# KiCad board Panel2.kicad_pcb (continued)
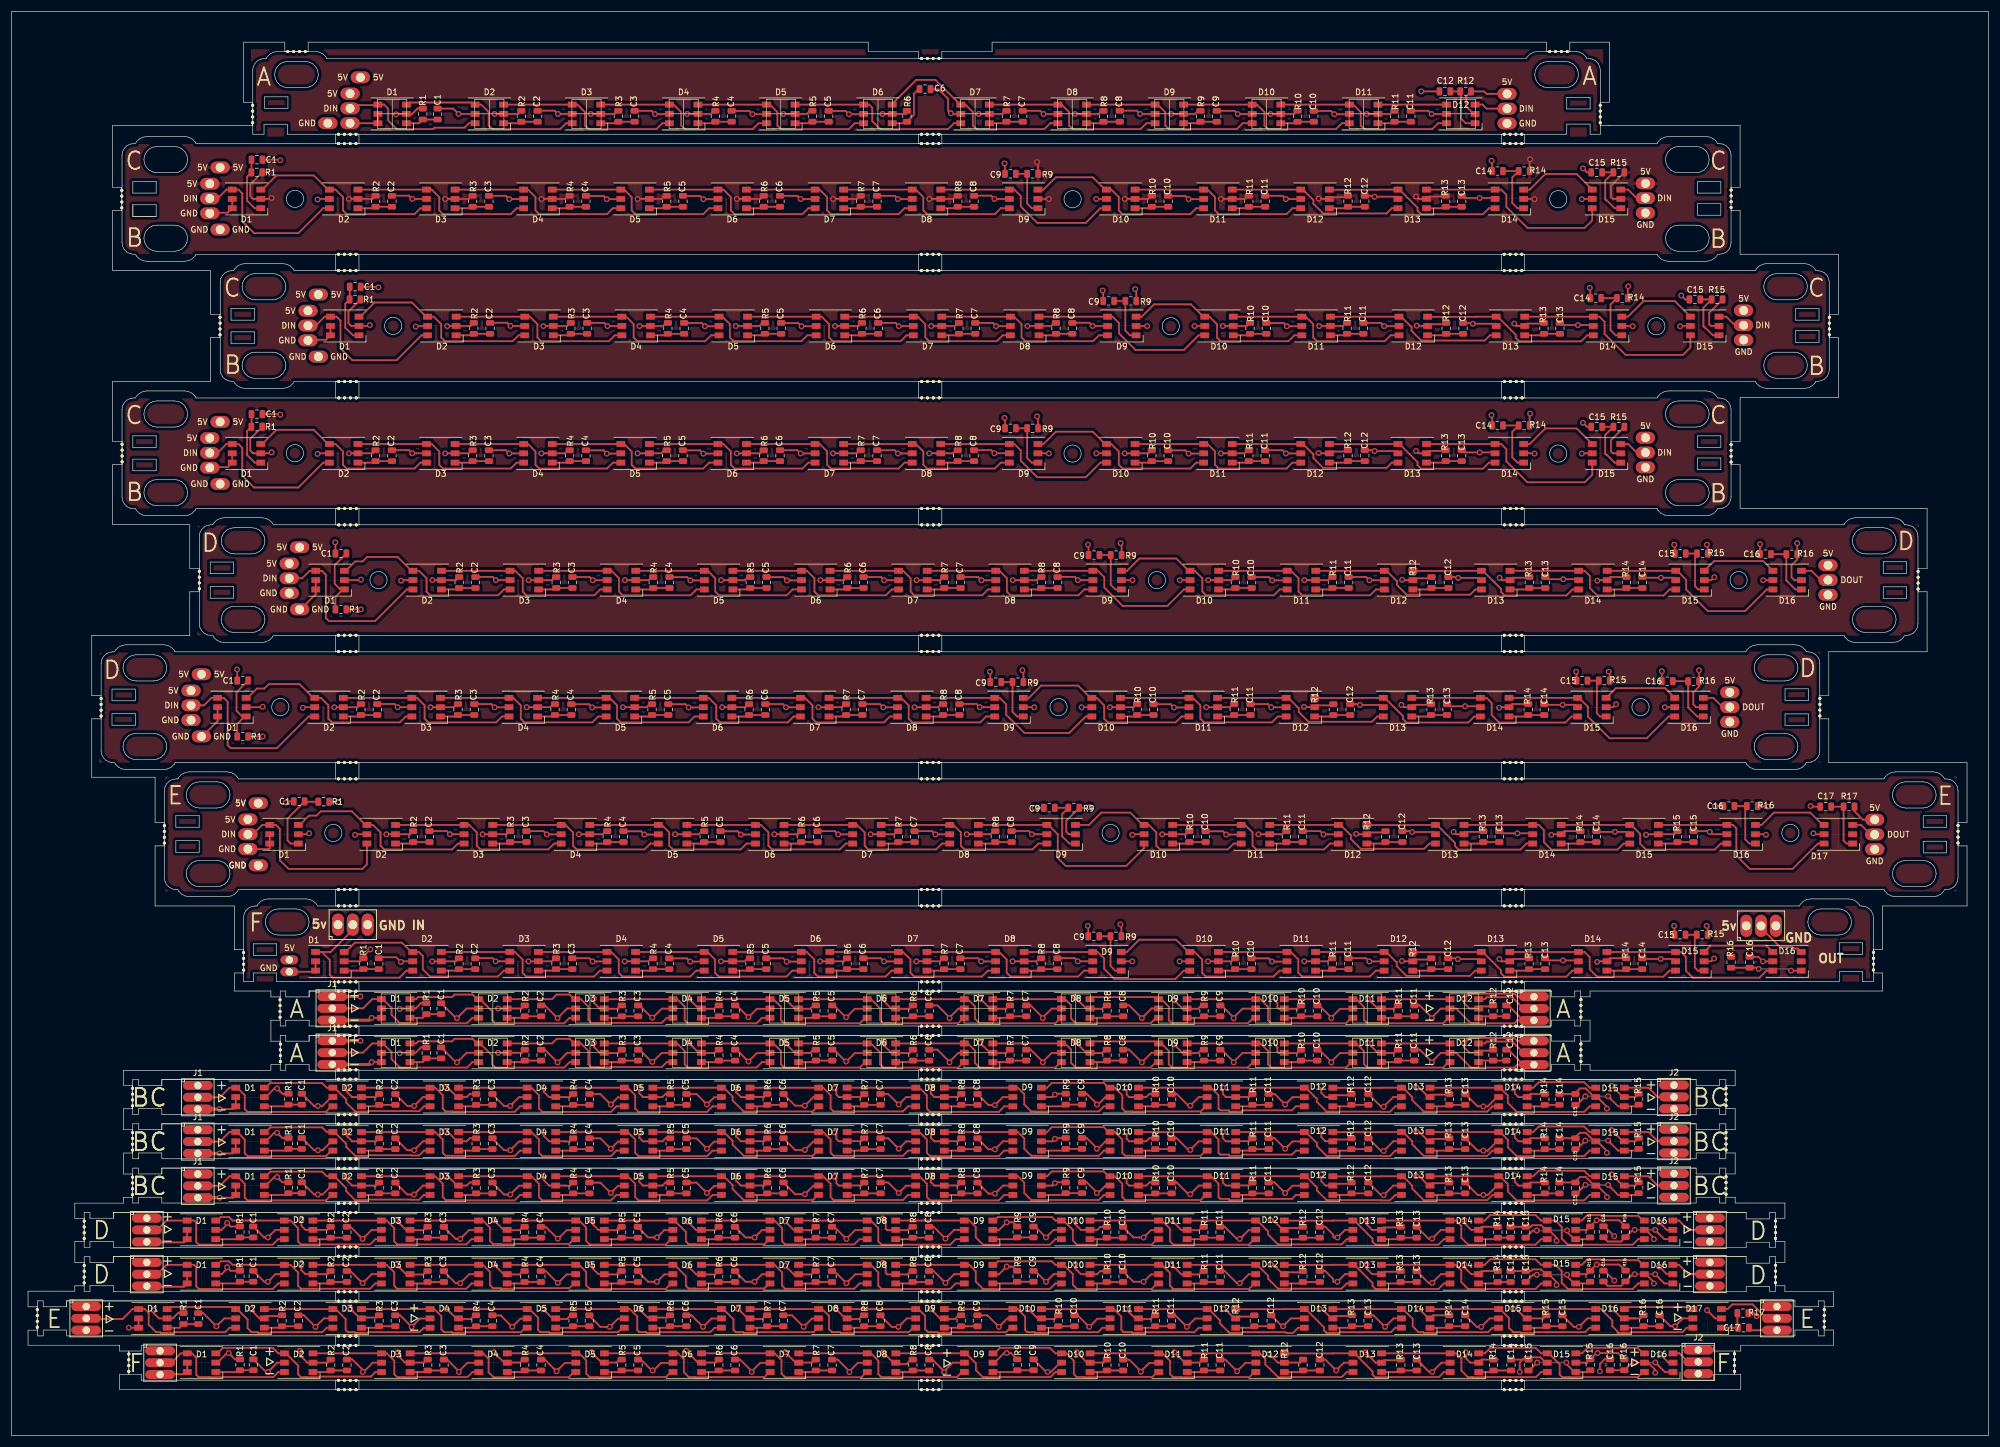
[diagram p0: board, top side]
## Routing (per net, layer and track width the routed paths; a pad name or vN(x,y) marks a point on that pad's centre or on a via; arc(x,y) is an arc through that point) (continued)
248.71,35.97 248.71,33.91 249.89,32.73 261.44,32.73 262.39,33.68 D15#12.6 ; D13#11.3 D14#11.4 247.8,29.27 248.71,28.37 248.71,26.31 249.89,25.13 261.44,25.13 262.39,26.07 D15#11.6 ; D14#12.3 252.72,36.88 253.67,37.83 261.44,37.83 262.39,36.88 D15#12.4 264.84,36.88 265.94,35.78 265.94,33.79 267,32.73 278.1,32.73 279.05,33.68 D16#6.6 ; D14#11.3 252.72,29.27 253.67,30.22 261.44,30.22 262.39,29.27 D15#11.4 264.84,29.27 265.94,28.18 265.94,26.19 267,25.13 278.1,25.13 279.05,26.07 D16#5.6 ; D15#12.3 269.39,36.88 270.34,37.83 272.56,37.83 272.71,37.68 279.05,37.68 279.85,36.88 D16#6.4 ; D15#11.3 269.39,29.27 270.34,30.23 272.56,30.23 272.71,30.07 279.05,30.07 279.85,29.27 D16#5.4 ; J2#14.2 287.66,35.27 286.05,36.88 D16#6.3 ; J2#13.2 287.66,27.67 286.05,29.27 D16#5.3 ; R2#15.1 54.18,35.28 D2#15.2 50.4,35.28 49.71,35.97 v1(49.71,36.97) ; R2#14.1 54.18,27.67 D2#14.2 50.4,27.67 49.71,28.37 v1(49.71,29.37) ; D15#12.2 270.24,35.28 R15#12.1 271.89,36.93 v1(271.95,36.93) 275.78,36.93 276.88,35.83 ; D15#11.2 270.24,27.67 R15#11.1 271.89,29.33 v1(271.95,29.33) 275.78,29.33 276.88,28.23 ; R14#12.1 252.2,35.81 D14#12.2 250.4,35.28 249.21,36.47 v1(249.21,36.97) ; R14#11.1 252.2,28.21 D14#11.2 250.4,27.67 249.21,28.87 v1(249.21,29.37) ; v1(132.71,36.72) 134.21,35.22 137.18,35.22 137.77,35.81 ; v1(132.71,29.12) 134.21,27.62 137.18,27.62 137.77,28.21 ; R13#12.1 238.18,35.68 235.41,35.68 D13#12.2 233.4,35.28 232.46,36.22 v1(232.46,36.97) ; R13#11.1 238.18,28.08 235.41,28.08 D13#11.2 233.4,27.67 232.46,28.62 v1(232.46,29.37) ; R12#15.1 221.31,35.58 218.64,35.58 D12#15.2 218.09,35.28 216.39,36.97 v1(215.96,36.97) ; R12#14.1 221.31,27.98 218.64,27.98 D12#14.2 218.09,27.67 216.39,29.37 v1(215.96,29.37) ; v1(282.66,36.57) 283.95,35.28 D16#6.2 ; v1(282.66,28.97) 283.95,27.67 D16#5.2 ; v1(149.46,37.22) 149.96,36.72 149.96,35.47 150.21,35.22 153.69,35.22 154.28,35.81 ; v1(149.46,29.62) 149.96,29.12 149.96,27.87 150.21,27.62 153.69,27.62 154.28,28.21 ; R9#15.1 171.79,36.57 v1(170.71,36.57) 169.41,35.28 D9#15.2 ; R9#14.1 171.79,28.97 v1(170.71,28.97) 169.41,27.67 D9#14.2 ; v1(198.96,36.97) 200.71,35.22 203.73,35.22 204.32,35.81 ; v1(198.96,29.37) 200.71,27.62 203.73,27.62 204.32,28.21 ; v1(82.71,36.97) 84.46,35.22 87.14,35.22 87.73,35.81 ; v1(82.71,29.37) 84.46,27.62 87.14,27.62 87.73,28.21 ; v1(65.96,36.97) 67.71,35.22 70.63,35.22 71.22,35.81 ; v1(65.96,29.37) 67.71,27.62 70.63,27.62 71.22,28.21 ; R1#15.1 37.58,35.85 v1(36.96,36.47) 36.96,36.22 36.01,35.28 D1#15.2 ; R1#14.1 37.58,28.25 v1(36.96,28.87) 36.96,28.62 36.01,27.67 D1#14.2 ; 104.24,35.81 103.9,35.47 ; 104.24,28.21 103.9,27.87 ; v1(115.96,36.72) 117.46,35.22 120.67,35.22 121.26,35.81 ; v1(115.96,29.12) 117.46,27.62 120.67,27.62 121.26,28.21 ; R5#15.1 104.06,35.22 101.73,35.22 D5#15.2 100.65,35.28 99.71,36.22 99.71,36.47 v1(99.21,36.97) ; R5#14.1 104.06,27.62 101.73,27.62 D5#14.2 100.65,27.67 99.71,28.62 99.71,28.87 v1(99.21,29.37) ; v1(182.46,36.97) 182.46,36.26 183.44,35.28 D10#15.2 186.26,35.28 186.79,35.81 R10#15.1 ; v1(182.46,29.37) 182.46,28.66 183.44,27.67 D10#14.2 186.26,27.67 186.79,28.21 R10#14.1 ; 30.09,36.85 D1#15.4 ; D1#15.4 31.3,36.88 31.66,36.52 31.66,33.21 32.14,32.73 44.78,32.73 45.73,33.68 D2#15.6 ; D1#15.4 26.58,36.88 24.96,35.25 J1#14.2 ; 30.09,29.25 D1#14.4 ; D1#14.4 31.3,29.27 31.66,28.92 31.66,25.61 32.14,25.13 44.78,25.13 45.73,26.07 D2#14.6 ; D1#14.4 26.58,29.27 24.96,27.65 J1#13.2 ; D1#15.5 D1#15.6 ; D1#15.6 29.63,33.2 ; D1#15.6 29.56,33.12 23.29,33.12 J1#14.3 ; D1#14.5 D1#14.6 ; D1#14.6 29.63,25.6 ; D1#14.6 29.56,25.52 23.29,25.52 J1#13.3 ; v1(274.96,34.18) 273.25,35.88 C16#6.2 ; v1(274.96,26.58) 273.25,28.28 C16#5.2 ; 257.71,35.81 260.65,35.81 260.92,36.08 262.39,36.08 263.19,35.28 D15#12.5 263.69,35.28 265.04,33.93 v1(265.04,33.4) ; 257.71,28.21 260.65,28.21 260.92,28.47 262.39,28.47 263.19,27.67 D15#11.5 263.69,27.67 265.04,26.32 v1(265.04,25.8) ; D13#12.5 228.76,35.28 v1(227.46,33.97) 226.75,33.97 226.75,34.43 225.37,35.81 C12#15.2 ; D13#11.5 228.76,27.67 v1(227.46,26.37) 226.75,26.37 226.75,26.83 225.37,28.21 C12#14.2 ; D16#6.5 280.35,35.28 281.76,33.87 v1(281.76,33.67) ; D16#5.5 280.35,27.67 281.76,26.27 v1(281.76,26.07) ; C1#15.2 43.32,33.97 v1(43.96,33.97) 45.26,35.28 D2#15.5 ; C1#14.2 43.32,26.37 v1(43.96,26.37) 45.26,27.67 D2#14.5 ; 63.51,35.28 61.77,35.28 v1(60.21,33.72) 58.09,35.83 57.44,35.83 ; 63.51,27.68 61.77,27.68 v1(60.21,26.12) 58.09,28.23 57.44,28.23 ; 80.15,35.25 78.49,35.25 v1(76.96,33.72) 76.17,33.72 74.08,35.81 ; 80.15,27.65 78.49,27.65 v1(76.96,26.12) 76.17,26.12 74.08,28.21 ; 93.71,33.72 91.64,35.78 90.82,35.78 ; 93.71,33.72 95.21,35.23 96.89,35.23 ; 93.71,33.72 v1(93.71,33.77) ; 93.71,26.12 91.64,28.18 90.82,28.18 ; 93.71,26.12 95.21,27.63 96.89,27.63 ; 93.71,26.12 v1(93.71,26.17) ; 107.38,35.78 109.19,33.97 v1(110.71,33.97) 111.96,35.23 113.45,35.23 ; 107.38,28.18 109.19,26.37 v1(110.71,26.37) 111.96,27.63 113.45,27.63 ; 130.14,35.25 128.74,35.25 v1(127.46,33.97) 125.91,33.97 124.07,35.81 ; 130.14,27.65 128.74,27.65 v1(127.46,26.37) 125.91,26.37 124.07,28.21 ; 140.76,35.81 141.12,35.81 v1(143.21,33.72) 144.74,35.25 146.83,35.25 ; 140.76,28.21 141.12,28.21 v1(143.21,26.12) 144.74,27.65 146.83,27.65 ; D10#15.5 178.76,35.28 v1(177.46,33.97) 175.58,35.85 C9#15.2 ; D10#14.5 178.76,27.67 v1(177.46,26.37) 175.58,28.25 C9#14.2 ; 190.64,35.78 192.45,33.97 v1(194.21,33.97) 195.46,35.23 196.71,35.23 ; 190.64,28.18 192.45,26.37 v1(194.21,26.37) 195.46,27.63 196.71,27.63 ; 213.4,35.25 212.24,35.25 v1(210.71,33.72) 210.21,33.72 208.12,35.81 207.33,35.81 ; 213.4,27.65 212.24,27.65 v1(210.71,26.12) 210.21,26.12 208.12,28.21 207.33,28.21 ; 157.32,35.83 158.14,35.83 v1(160.21,33.77) 161.72,35.28 163.39,35.28 ; 157.32,28.23 158.14,28.23 v1(160.21,26.17) 161.72,27.68 163.39,27.68 ; D14#12.5 245.21,35.28 v1(243.71,33.77) 243.08,33.77 C13#12.2 ; D14#11.5 245.21,27.67 v1(243.71,26.17) 243.08,26.17 C13#11.2 ; D10#15.4 179.06,36.88 178.46,37.47 169.18,37.47 168.59,36.88 D9#15.3 ; D10#14.4 179.06,29.27 178.46,29.87 169.18,29.87 168.59,29.27 D9#14.3 ; 196.54,33.68 195.59,32.73 182.78,32.73 182.06,33.45 182.06,35.29 180.47,36.88 179.87,36.88 ; 196.54,26.07 195.59,25.13 182.78,25.13 182.06,25.85 182.06,27.69 180.47,29.27 179.87,29.27 ; D12#15.3 218.36,36.85 226.66,36.85 226.68,36.88 D13#12.4 230.35,36.88 233.47,33.76 233.47,33.24 233.98,32.73 244.77,32.73 245.72,33.68 D14#12.6 ; D12#14.3 218.36,29.25 226.66,29.25 226.68,29.27 D13#11.4 230.35,29.27 233.47,26.16 233.47,25.64 233.98,25.13 244.77,25.13 245.72,26.07 D14#11.6 ; 79.8,36.88 80.85,36.88 82.06,35.67 82.06,33.37 82.56,32.87 83.86,32.87 83.86,32.86 83.94,32.78 86.08,32.78 86.16,32.86 86.16,32.87 95.66,32.87 96.46,33.68 ; 79.8,29.27 80.85,29.27 82.06,28.07 82.06,25.77 82.56,25.27 83.86,25.27 83.86,25.25 83.94,25.17 86.08,25.17 86.16,25.25 86.16,25.27 95.66,25.27 96.46,26.07 ; 201.28,33.68 204.06,33.68 204.32,33.93 207.11,33.93 ; 201.28,26.07 204.06,26.07 204.32,26.33 207.11,26.33 ; C12#15.1 R12#15.2 221.27,33.68 D12#15.1 ; C12#14.1 R12#14.2 221.27,26.07 D12#14.1 ; 184.77,33.68 187.55,33.68 187.81,33.93 190.6,33.93 ; 184.77,26.07 187.55,26.07 187.81,26.33 190.6,26.33 ; D9#15.1 172.21,33.68 R9#15.2 C9#15.1 ; D9#14.1 172.21,26.07 R9#14.2 C9#14.1 ; 157.07,33.93 154.28,33.93 154.02,33.68 151.25,33.68 ; 157.07,26.33 154.28,26.33 154.02,26.07 151.25,26.07 ; 140.56,33.93 137.77,33.93 137.51,33.68 134.74,33.68 ; 140.56,26.33 137.77,26.33 137.51,26.07 134.74,26.07 ; 118.23,33.68 121,33.68 121.26,33.93 124.05,33.93 ; 118.23,26.07 121,26.07 121.26,26.33 124.05,26.33 ; 101.21,33.68 103.98,33.68 104.24,33.93 107.03,33.93 ; 101.21,26.07 103.98,26.07 104.24,26.33 107.03,26.33 ; 84.7,33.68 87.47,33.68 87.73,33.93 90.52,33.93 ; 84.7,26.07 87.47,26.07 87.73,26.33 90.52,26.33 ; 68.19,33.68 70.96,33.68 71.22,33.93 74.01,33.93 ; 68.19,26.07 70.96,26.07 71.22,26.33 74.01,26.33 ; D2#15.1 54.45,33.68 R2#15.2 C2#15.1 ; D2#14.1 54.45,26.07 R2#14.2 C2#14.1 ; D1#15.1 38.86,33.68 R1#15.2 C1#15.1 ; D1#14.1 38.86,26.07 R1#14.2 C1#14.1 ; D2#15.3 D3#15.4 ; D2#14.3 D3#14.4 ; D4#15.6 78.9,33.68 78,32.77 66.15,32.77 65.62,33.3 65.62,35.59 64.34,36.88 63.29,36.88 ; D4#14.6 78.9,26.07 78,25.17 66.15,25.17 65.62,25.7 65.62,27.99 64.34,29.27 63.29,29.27 ; D1#15.3 35.26,36.88 35.86,37.47 37.29,37.47 37.88,36.88 D2#15.4 47.83,36.88 49.11,35.59 49.11,33.3 49.64,32.77 61.49,32.77 62.39,33.68 D3#15.6 ; D1#14.3 35.26,29.27 35.86,29.87 37.29,29.87 37.88,29.27 D2#14.4 47.83,29.27 49.11,27.99 49.11,25.7 49.64,25.17 61.49,25.17 62.39,26.07 D3#14.6 ; 68.19,36.88 79.95,36.88 ; 68.19,29.27 79.95,29.27 ; C16#6.1 273.82,33.28 276.14,33.28 R16#6.2 278.14,35.27 v1(278.46,35.27) ; C16#5.1 273.82,25.68 276.14,25.68 R16#5.2 278.14,27.67 v1(278.46,27.67) ; D16#6.1 283.55,33.68 v1(281.96,35.27) ; D16#5.1 283.55,26.07 v1(281.96,27.67) ; 101.21,36.88 112.97,36.88 ; 101.21,29.27 112.97,29.27 ; 129.99,33.68 129.13,32.81 119.45,32.81 119.41,32.78 117.27,32.78 117.23,32.81 116.15,32.81 115.66,33.3 115.66,34.93 113.72,36.88 113.33,36.88 ; 129.99,26.07 129.13,25.21 119.45,25.21 119.41,25.17 117.27,25.17 117.23,25.21 116.15,25.21 115.66,25.7 115.66,27.33 113.72,29.27 113.33,29.27 ; 113.13,33.68 112.2,32.75 99.19,32.75 98.56,33.38 98.56,35.68 97.36,36.88 96.31,36.88 ; 113.13,26.07 112.2,25.15 99.19,25.15 98.56,25.78 98.56,28.08 97.36,29.27 96.31,29.27 ; 84.7,36.88 96.46,36.88 ; 84.7,29.27 96.46,29.27 ; 118.23,36.88 129.99,36.88 ; 118.23,29.27 129.99,29.27 ; 146.35,36.88 147.4,36.88 148.68,35.59 148.68,33.3 149.25,32.73 161.01,32.73 161.96,33.68 163.01,33.68 ; 146.35,29.27 147.4,29.27 148.68,27.99 148.68,25.7 149.25,25.13 161.01,25.13 161.96,26.07 163.01,26.07 ; 162.86,36.88 163.91,36.88 ; 162.86,29.27 163.91,29.27 ; 146.66,33.68 145.45,33.68 144.55,32.77 132.7,32.77 132.17,33.3 132.17,35.59 130.89,36.88 129.84,36.88 ; 146.66,26.07 145.45,26.07 144.55,25.17 132.7,25.17 132.17,25.7 132.17,27.99 130.89,29.27 129.84,29.27 ; D10#15.6 179.06,33.68 178.11,32.73 166.66,32.73 165.4,33.99 165.4,35.77 164.29,36.88 D9#15.4 ; D10#14.6 179.06,26.07 178.11,25.12 166.66,25.12 165.4,26.39 165.4,28.17 164.29,29.27 D9#14.4 ; 213.21,33.68 212.26,32.73 199.29,32.73 198.71,33.31 198.71,35.5 197.33,36.88 196.38,36.88 ; 213.21,26.07 212.26,25.13 199.29,25.13 198.71,25.71 198.71,27.9 197.33,29.27 196.38,29.27 ; 151.25,36.88 163.01,36.88 ; 151.25,29.27 163.01,29.27 ; 184.77,36.88 196.54,36.88 ; 184.77,29.27 196.54,29.27 ; 201.28,36.88 213.05,36.88 ; 201.28,29.27 213.05,29.27 ; D13#12.6 229.05,33.68 228.15,32.78 217.27,32.78 215.56,34.49 215.56,35.01 213.69,36.88 D12#15.4 ; D13#11.6 229.05,26.07 228.15,25.17 217.27,25.17 215.56,26.89 215.56,27.41 213.69,29.27 D12#14.4 ; 134.74,36.88 146.5,36.88 ; 134.74,29.27 146.5,29.27 ; 165.75,20.61 167.39,20.61 v1(169.37,18.62) 170.8,20.05 171.82,20.05 ; 54.95,21.67 55.59,21.67 57.29,19.97 57.29,18.1 57.66,17.72 58.86,17.72 58.86,17.65 58.94,17.57 61.08,17.57 61.16,17.65 61.16,17.72 69.97,17.72 70.73,18.47 D4#16.6 ; D1#16.3 26.93,21.67 27.29,22.03 37.84,22.03 38.19,21.67 D2#16.4 38.69,21.67 40.47,19.9 40.47,18.4 41.15,17.72 42.19,17.72 42.19,17.65 42.27,17.57 44.41,17.57 44.49,17.65 44.49,17.72 53.31,17.72 54.06,18.47 D3#16.6 ; 59.85,21.67 71.62,21.67 ; 88.13,18.47 87.38,17.72 77.83,17.72 77.83,17.65 77.75,17.57 75.61,17.57 75.53,17.65 75.53,17.72 74.17,17.72 73.72,18.17 73.72,20.47 72.51,21.67 71.46,21.67 ; D16#7.1 279.71,18.47 R16#7.2 C16#7.1 ; 76.36,21.67 88.13,21.67 ; C15#13.1 R15#13.2 263.05,18.47 D15#13.1 ; 104.99,21.67 106.04,21.67 107.33,20.39 107.33,18.1 107.7,17.72 108.86,17.72 108.86,17.65 108.94,17.57 111.08,17.57 111.16,17.65 111.16,17.72 119.86,17.72 120.61,18.47 121.66,18.47 ; 104.8,18.47 104.04,17.72 94.49,17.72 94.49,17.65 94.41,17.57 92.27,17.57 92.19,17.65 92.19,17.72 90.68,17.72 90.31,18.1 90.31,20.2 88.84,21.67 87.97,21.67 ; 92.87,21.67 104.64,21.67 ; 109.89,21.67 121.66,21.67 ; 138.32,18.47 137.57,17.72 127.82,17.72 127.82,17.65 127.74,17.57 125.6,17.57 125.52,17.65 125.52,17.72 124.21,17.72 123.84,18.1 123.84,19.93 122.09,21.67 121.5,21.67 ; 126.4,21.67 138.17,21.67 ; 154.68,18.47 153.93,17.72 144.49,17.72 144.49,17.65 144.41,17.57 142.27,17.57 142.19,17.65 142.19,17.72 140.72,17.72 140.22,18.22 140.22,20.51 139.06,21.67 138.01,21.67 ; R17#2.2 296.08,18.58 C17#2.1 296.18,18.47 D17#2.1 ; D17#2.3 294.39,21.67 295.18,22.47 298.69,22.47 301.08,20.08 J2#15.2 ; D12#16.4 205.35,21.67 207.27,19.76 207.27,19.24 208.79,17.72 208.85,17.72 208.85,17.65 208.93,17.57 211.07,17.57 211.15,17.65 211.15,17.72 218.54,17.72 218.69,17.57 219.82,17.57 220.72,18.47 D13#13.6 ; 192.95,21.67 204.72,21.67 ; 188.05,21.67 189.1,21.67 190.39,20.39 190.39,18.1 190.76,17.72 192.19,17.72 192.19,17.65 192.27,17.57 194.41,17.57 194.49,17.65 194.49,17.72 202.91,17.72 203.67,18.47 204.87,18.47 ; 176.44,21.67 188.21,21.67 ; 154.52,21.67 155.57,21.67 156.72,20.52 156.72,18.23 157.23,17.72 158.86,17.72 158.86,17.65 158.94,17.57 161.08,17.57 161.16,17.65 161.16,17.72 170.59,17.72 171.34,18.47 ; 142.91,21.67 154.68,21.67 ; D14#13.1 246.38,18.47 R14#13.2 C14#13.1 ; D13#13.1 229.71,18.47 R13#13.2 C13#13.1 ; D13#13.3 D14#13.4 238.69,21.67 240.37,19.99 240.37,18.71 241.36,17.72 242.19,17.72 242.19,17.65 242.27,17.57 244.41,17.57 244.49,17.65 244.49,17.72 253.3,17.72 254.05,18.47 D15#13.6 ; D14#13.3 D15#13.4 255.35,21.67 256.88,20.15 256.88,18.45 257.61,17.72 258.85,17.72 258.85,17.65 258.93,17.57 261.07,17.57 261.15,17.65 261.15,17.72 269.97,17.72 270.72,18.47 D16#7.6 ; D15#13.3 D16#7.4 272.67,21.67 274.62,19.72 274.62,18.72 275.52,17.83 275.52,17.65 275.6,17.57 277.74,17.57 277.82,17.65 277.82,17.72 286.63,17.72 287.39,18.47 D17#2.6 ; 288.11,22.02 277.27,22.02 276.92,21.67 D16#7.3 ; R12#16.1 212.97,20.38 210.31,20.38 D12#16.2 209.75,20.07 208.11,21.72 v1(207.87,21.72) ; R1#16.1 29.45,21.02 28.59,21.02 27.64,20.07 D1#16.2 25.27,20.07 24.37,20.97 v1(24.37,21.47) ; R16#7.1 279.44,20.07 278.57,20.07 ; D16#7.2 278.57,20.07 ; 278.57,20.07 276.27,20.07 v1(274.62,21.72) ; R15#13.1 262.77,20.07 D15#13.2 259.75,20.07 258.11,21.72 v1(257.62,21.72) ; R14#13.1 243.87,20.61 D14#13.2 243.09,20.07 241.44,21.72 v1(241.37,21.72) ; v1(191.12,21.72) 192.87,19.97 195.35,19.97 195.98,20.61 ; R13#13.1 229.85,20.48 227.08,20.48 D13#13.2 226.42,20.07 224.77,21.72 v1(224.37,21.72) ; v1(290.87,21.47) 292.27,20.07 D17#2.2 ; v1(299.37,20.47) 298.87,20.97 R17#2.1 ; v1(157.62,21.72) 159.37,19.97 161.82,19.97 162.45,20.61 ; v1(141.37,21.72) 143.12,19.97 145.31,19.97 145.94,20.61 ; v1(124.62,21.72) 126.37,19.97 128.8,19.97 129.43,20.61 ; v1(107.62,21.72) 109.12,20.22 112.54,20.22 112.92,20.61 ; v1(91.12,21.72) 92.87,19.97 95.27,19.97 95.91,20.61 ; v1(74.62,21.72) 76.37,19.97 78.76,19.97 79.4,20.61 ; v1(58.12,21.72) 59.62,20.22 62.5,20.22 62.89,20.61 ; R2#16.1 46.24,20.47 43.74,20.47 D2#16.2 42.52,20.07 41.12,21.47 v1(41.12,21.72) ; v1(174.37,21.72) 176.12,19.97 178.84,19.97 179.47,20.61 ; 21.76,21.65 D1#16.4 ; D1#16.4 20.73,21.67 19.03,19.98 12.9,19.98 J1#15.2 ; D1#16.4 22.83,21.67 23.51,21 23.51,18.99 24.78,17.72 25.53,17.72 25.53,17.65 25.61,17.57 27.75,17.57 27.83,17.65 27.83,17.72 36.63,17.72 37.39,18.47 D2#16.6 ; D1#16.5 D1#16.6 v1(20.11,18.47) ; 301.08,18.05 J2#15.3 298.48,18.05 C17#2.2 ; C12#16.2 217.97,18.72 v1(218.12,18.72) 219.47,20.07 D13#13.5 ; C16#7.2 284.59,18.72 v1(285.37,18.72) 286.72,20.07 D17#2.5 ; 65.75,20.61 66.64,20.61 v1(68.62,18.62) 70.05,20.05 71.82,20.05 ; 82.49,20.58 83.91,20.58 v1(85.87,18.62) 87.28,20.03 88.56,20.03 ; 55.18,20.08 53.58,20.08 v1(52.12,18.62) 50.11,20.63 49.11,20.63 ; 105.12,20.03 104.03,20.03 v1(102.62,18.62) 101.01,18.62 99.05,20.58 ; 115.73,20.61 116.64,20.61 v1(118.62,18.62) 120.05,20.05 121.8,20.05 ; 138.49,20.05 137.3,20.05 v1(135.87,18.62) 133.89,20.61 132.42,20.61 ; 155.05,20.08 153.58,20.08 v1(152.12,18.62) 150.99,18.62 148.98,20.63 ; 188.21,18.47 187.16,18.47 186.4,17.72 177.82,17.72 177.82,17.65 177.74,17.57 175.6,17.57 175.52,17.65 175.52,17.72 174.25,17.72 173.88,18.1 173.88,20.39 172.59,21.67 171.54,21.67 ; C13#13.2 233.64,20.61 v1(235.62,18.62) 237.07,20.07 D14#13.5 ; 205.07,20.05 203.05,20.05 v1(201.62,18.62) 199.64,20.61 199,20.61 ; D15#13.5 253.57,20.07 v1(252.12,18.62) 251.36,18.62 C14#13.2 ; D16#7.5 270.32,20.07 v1(268.87,18.62) 268.03,18.62 C15#13.2 ; 159.42,21.67 171.19,21.67 ; D12#16.3 210.03,21.65 218.33,21.65 218.35,21.67 D13#13.4 222.02,21.67 225.13,18.56 225.13,18.04 225.45,17.72 225.52,17.72 225.52,17.65 225.6,17.57 227.74,17.57 227.82,17.65 227.82,17.72 236.63,17.72 237.39,18.47 D14#13.6 ; C12#16.1 R12#16.2 212.94,18.47 D12#16.1 ; 192.95,18.47 195.73,18.47 195.98,18.73 198.78,18.73 ; 176.44,18.47 179.22,18.47 179.47,18.73 182.27,18.73 ; 159.42,18.47 162.2,18.47 162.45,18.73 165.25,18.73 ; 148.74,18.73 145.94,18.73 145.69,18.47 142.91,18.47 ; 132.23,18.73 129.43,18.73 129.18,18.47 126.4,18.47 ; 109.89,18.47 112.67,18.47 112.92,18.73 115.72,18.73 ; 92.87,18.47 95.65,18.47 95.91,18.73 98.7,18.73 ; 76.36,18.47 79.14,18.47 79.4,18.73 82.19,18.73 ; 59.85,18.47 62.63,18.47 62.89,18.73 65.68,18.73 ; C2#16.1 R2#16.2 46.12,18.47 D2#16.1 ; C1#16.1 R1#16.2 28.84,18.47 D1#16.1 ; D2#16.3 D3#16.4 ; 188.38,20.03 186.28,20.03 v1(184.87,18.62) 182.91,20.58 182.31,20.58 ; C1#16.2 32.86,20.99 v1(35.12,18.72) 36.47,20.07 D2#16.5 ; D1#17.3 35.28,14.08 36.23,15.03 44.8,15.03 45.75,14.08 D2#17.4 47.05,14.08 49.13,11.99 49.13,10.5 49.63,10 50.6,10 50.63,9.98 52.77,9.98 52.89,10.09 61.63,10.09 62.41,10.88 D3#17.6 ; 151.27,14.08 163.03,14.08 ; 162.88,14.08 163.93,14.08 ; D10#17.6 179.08,10.88 178.2,10 169.45,10 169.43,9.98 167.29,9.98 167.27,10 166.61,10 165.42,11.19 165.42,12.37 163.71,14.08 D9#17.4 ; 184.8,14.08 196.56,14.08 ; 213.23,10.88 212.35,10 202.79,10 202.76,9.98 200.62,9.98 200.6,10 199.24,10 198.74,10.5 198.74,12.79 197.46,14.08 196.41,14.08 ; 201.31,14.08 213.07,14.08 ; D13#14.6 229.07,10.88 228.2,10 219.45,10 219.43,9.98 217.29,9.98 215.08,12.18 215.08,13.15 214.15,14.08 D12#17.4 ; 273.62,11.17 R16#8.2 278,12.5 v1(278.48,12.5) ; D16#8.1 283.63,10.88 v1(281.99,12.51) ; R15#14.2 270.53,10.88 D15#14.1 268.11,10.88 266.73,12.25 v1(266.73,12.5) ; v1(261.73,12.5) 260.67,11.44 260.67,11.13 ; D14#14.1 254.73,10.88 254.99,11.13 257.73,11.13 ; D13#14.1 238.07,10.88 R13#14.2 C13#14.1 ; D13#14.3 D14#14.4 247.84,14.08 248.73,13.19 248.73,11.11 249.83,10 250.6,10 250.62,9.98 252.76,9.98 252.79,10 261.53,10 262.41,10.88 D15#14.6 ; D14#14.3 252.74,14.08 253.69,15.03 261.46,15.03 262.41,14.08 D15#14.4 263.71,14.08 265.58,12.2 265.58,10.44 266.03,9.99 267.27,9.99 267.29,9.98 269.43,9.98 269.44,9.99 278.99,9.99 279.87,10.88 D16#8.6 ; D15#14.3 269.41,14.08 270.36,15.03 278.92,15.03 279.87,14.08 D16#8.4 ; D16#8.3 286.13,14.08 287.59,12.62 J2#16.2 ; D2#17.5 45.56,12.48 v1(43.98,10.9) 43.61,10.9 C1#17.2 ; 109.98,11 v1(109.98,11.15) ; 109.98,11 108,12.98 107.4,12.98 ; 109.98,11 111.41,12.43 113.47,12.43 ; 76.73,11 v1(76.73,10.9) ; 76.73,11 78.18,12.45 80.17,12.45 ; 76.73,11 74.72,13.01 74.1,13.01 ; 60.48,11 60.38,10.9 v1(60.23,10.9) ; 60.48,11 61.96,12.48 63.54,12.48 ; 60.48,11 58.45,13.03 57.46,13.03 ; D1#17.4 29.02,14.08 27.42,12.47 J1#16.2 ; D1#17.4 30.9,14.08 31.68,13.3 31.68,10.41 32.08,10 33.94,10 33.96,9.98 36.1,9.98 36.13,10 44.87,10 45.75,10.88 D2#17.6 ; D1#17.4 30.11,14.05 ; D1#17.5 D1#17.6 29.76,10.5 25.52,10.5 J1#16.3 ; 90.84,12.98 91.5,12.98 v1(93.48,11) 94.91,12.43 96.91,12.43 ; 124.09,13.01 124.97,13.01 126.98,11 ; 126.98,11 128.43,12.45 130.16,12.45 ; 126.98,11 v1(126.98,10.9) ; 143.73,11 145.18,12.45 146.85,12.45 ; 143.73,11 141.72,13.01 140.78,13.01 ; 143.73,11 v1(143.73,10.87) ; 157.34,13.03 157.95,13.03 159.98,11 ; 163.41,12.48 161.46,12.48 159.98,11 ; 159.98,11 v1(159.98,10.89) ; 193.73,11 195.16,12.43 196.73,12.43 ; 193.73,11 191.75,12.98 190.66,12.98 ; 193.73,11 v1(193.73,10.92) ; 213.42,12.45 211.68,12.45 v1(210.23,11) 208.22,13.01 207.35,13.01 ; 257.73,13.01 259.23,13.01 ; 259.23,13.01 259.62,13.4 262.28,13.4 263.21,12.48 D15#14.5 ; 259.23,13.01 258.73,12.51 v1(258.73,10.9) ; v1(272.48,11) 272.48,12.25 273.28,13.05 C16#8.2 ; D16#8.5 280.75,12.48 281.98,11.25 v1(281.98,10.75) ; v1(132.73,14.25) 134.48,12.5 137.28,12.5 137.79,13.01 ; 121.28,13.01 120.77,12.5 117.73,12.5 v1(115.73,14.5) ; v1(215.73,14) 217.25,12.48 D12#17.2 218.38,12.5 221.04,12.5 R12#17.1 ; 204.34,13.01 203.83,12.5 201.23,12.5 v1(199.48,14.25) ; 187.83,13.01 187.32,12.5 184.48,12.5 v1(182.73,14.25) ; R9#17.1 171.45,14.13 v1(170.73,14.13) 170.26,14.13 168.61,12.48 D9#17.2 ; 154.3,13.01 153.54,12.25 151.48,12.25 v1(149.48,14.25) ; R2#17.1 54.2,12.48 D2#17.2 50.75,12.48 49.48,13.75 v1(49.48,14.5) ; 104.26,13.01 103.75,12.5 101.23,12.5 v1(99.48,14.25) ; 87.75,13.01 87.24,12.5 84.48,12.5 v1(82.73,14.25) ; 71.24,13.01 70.73,12.5 67.48,12.5 66.73,13.25 66.73,13.75 v1(66.23,14.25) ; 254.99,13.01 252.22,13.01 D14#14.2 250.25,12.48 249.48,13.25 v1(249.48,14.25) ; D1#17.2 35.28,12.48 36.93,14.13 v1(37.23,14.13) 38.31,13.05 R1#17.1 ; R16#8.1 275.59,14.13 v1(272.1,14.13) 271.91,14.13 R15#14.1 270.26,12.48 D15#14.2 ; R13#14.1 238.2,12.88 235.43,12.88 D13#14.2 234,12.48 232.73,13.75 232.73,14 232.48,14.25 v1(232.23,14.25) ; v1(282.73,14) 284.25,12.48 D16#8.2 ; D14#14.6 245.74,10.88 244.87,10 236.12,10 236.09,9.98 233.95,9.98 233.49,10.44 233.49,10.96 230.37,14.08 D13#14.4 226.7,14.08 226.68,14.05 218.38,14.05 D12#17.3 ; D9#17.3 168.61,14.08 169.56,15.03 178.13,15.03 179.08,14.08 D10#17.4 ; D14#14.5 245.31,12.48 v1(243.73,10.9) 243.17,10.9 C13#14.2 ; D13#14.5 228.56,12.48 v1(227.23,11.15) 225.37,13.01 C12#17.2 ; C9#17.2 177.47,10.9 v1(177.73,10.9) 178.3,10.9 179.88,12.48 D10#17.5 ; 179.9,14.08 180.95,14.08 182.23,12.79 182.23,10.5 182.7,10.02 183.91,10.02 183.96,9.98 186.1,9.98 186.14,10.02 195.71,10.02 196.56,10.88 ; D12#17.1 221.29,10.88 R12#17.2 C12#17.1 ; 201.31,10.88 204.08,10.88 204.34,11.13 207.13,11.13 ; 184.8,10.88 187.57,10.88 187.83,11.13 190.62,11.13 ; 118.25,10.88 121.02,10.88 121.28,11.13 124.07,11.13 ; 134.76,10.88 137.53,10.88 137.79,11.13 140.58,11.13 ; 151.27,10.88 154.04,10.88 154.3,11.13 157.09,11.13 ; C9#17.1 R9#17.2 172.23,10.88 D9#17.1 ; D2#17.1 54.47,10.88 R2#17.2 C2#17.1 ; 74.04,11.13 71.24,11.13 70.98,10.88 68.21,10.88 ; 90.55,11.13 87.75,11.13 87.49,10.88 84.72,10.88 ; 107.06,11.13 104.26,11.13 104,10.88 101.23,10.88 ; D1#17.1 38.88,10.88 R1#17.2 C1#17.1 ; D2#17.3 D3#17.4 ; D4#17.6 79.08,10.88 78.2,10 69.46,10 69.43,9.98 67.29,9.98 67.27,10 66.14,10 65.64,10.5 65.64,12.79 64.36,14.08 63.31,14.08 ; 113.15,10.88 112.27,10 102.79,10 102.77,9.98 100.63,9.98 100.6,10 99.16,10 98.58,10.58 98.58,12.87 97.38,14.08 96.33,14.08 ; 113.35,14.08 114.32,14.08 115.33,13.07 115.33,10.85 116.18,10 117.27,10 117.29,9.98 119.43,9.98 119.46,10 129.14,10 130.01,10.88 ; 118.25,14.08 130.01,14.08 ; 163.03,10.88 162.15,9.99 152.78,9.99 152.76,9.98 150.62,9.98 150.61,9.99 149.21,9.99 148.7,10.5 148.7,12.79 147.42,14.08 146.37,14.08 ; 84.72,14.08 96.48,14.08 ; 79.82,14.08 80.87,14.08 81.83,13.11 81.83,10.82 82.68,9.97 95.58,9.97 96.48,10.88 ; 134.76,14.08 146.52,14.08 ; 129.86,14.08 130.91,14.08 132.08,12.9 132.08,10.61 132.71,9.97 145.78,9.97 146.68,10.88 ; 68.21,14.08 79.97,14.08 ; 101.23,14.08 112.99,14.08
  Top w0.5: v1(61.77,71.67) 61.37,71.27 J1#9.3 ; v1(61.77,64.07) 61.37,63.67 J1#8.3 ; J1#9.1 59.83,75.33 v1(59.84,75.33) ; J1#8.1 59.83,67.73 v1(59.84,67.73) ; v1(35.69,40.8) 35.69,40.8 J1#10.3 ; v1(35.69,56) 35.69,56 J1#12.3 ; v1(35.69,48.4) 35.69,48.4 J1#11.3 ; 285.98,40.98 285.8,40.8 ; 285.98,56.18 285.8,56 ; 285.98,48.58 285.8,48.4
  Bottom w0.3: v1(305.29,79.76) 304.99,80.06 v1(299.74,80.06) ; 321.29,100.77 320.94,101.12 ; 249.48,75.31 v1(249.15,74.98) ; 249.48,67.71 v1(249.15,67.38) ; v1(269.99,58.2) v1(273.89,58.2) ; v1(269.99,50.6) v1(273.89,50.6) ; v1(269.99,43) v1(273.89,43) ; v1(266.84,35.17) v1(261.66,35.17) ; v1(266.84,27.57) v1(261.66,27.57) ; v1(281.96,35.27) v1(278.46,35.27) ; v1(281.96,27.67) v1(278.46,27.67) ; v1(281.99,12.51) 281.98,12.5 v1(278.48,12.5) ; v1(266.73,12.5) v1(261.73,12.5)
  Bottom w0.5: J1#9.3 55.01,71.27 61.36,71.27 v1(61.77,71.67) ; J1#8.3 55.01,63.67 61.36,63.67 v1(61.77,64.07) ; v1(59.84,75.33) 59.83,75.33 J1#9.1 ; v1(59.84,67.73) 59.83,67.73 J1#8.1 ; v1(35.69,40.8) 35.69,40.8 J1#10.3 ; v1(35.69,56) 35.69,56 J1#12.3 ; v1(35.69,48.4) 35.69,48.4 J1#11.3 ; J2#16.3 287.59,10.59
  vias: v1(283.64,124.98) v1(300.49,146.8) v1(308.63,108.02)
